# Altium PCB ACS712.PcbDoc
Units mil, origin at the board's own origin, x right, y up, seen from the top; angles counter-clockwise.
Board outline 2729.27 x 2353.8 mil, 2 copper layers (Top Layer, Bottom Layer); 116 components, 54 nets, 382 pads, 340 vias.
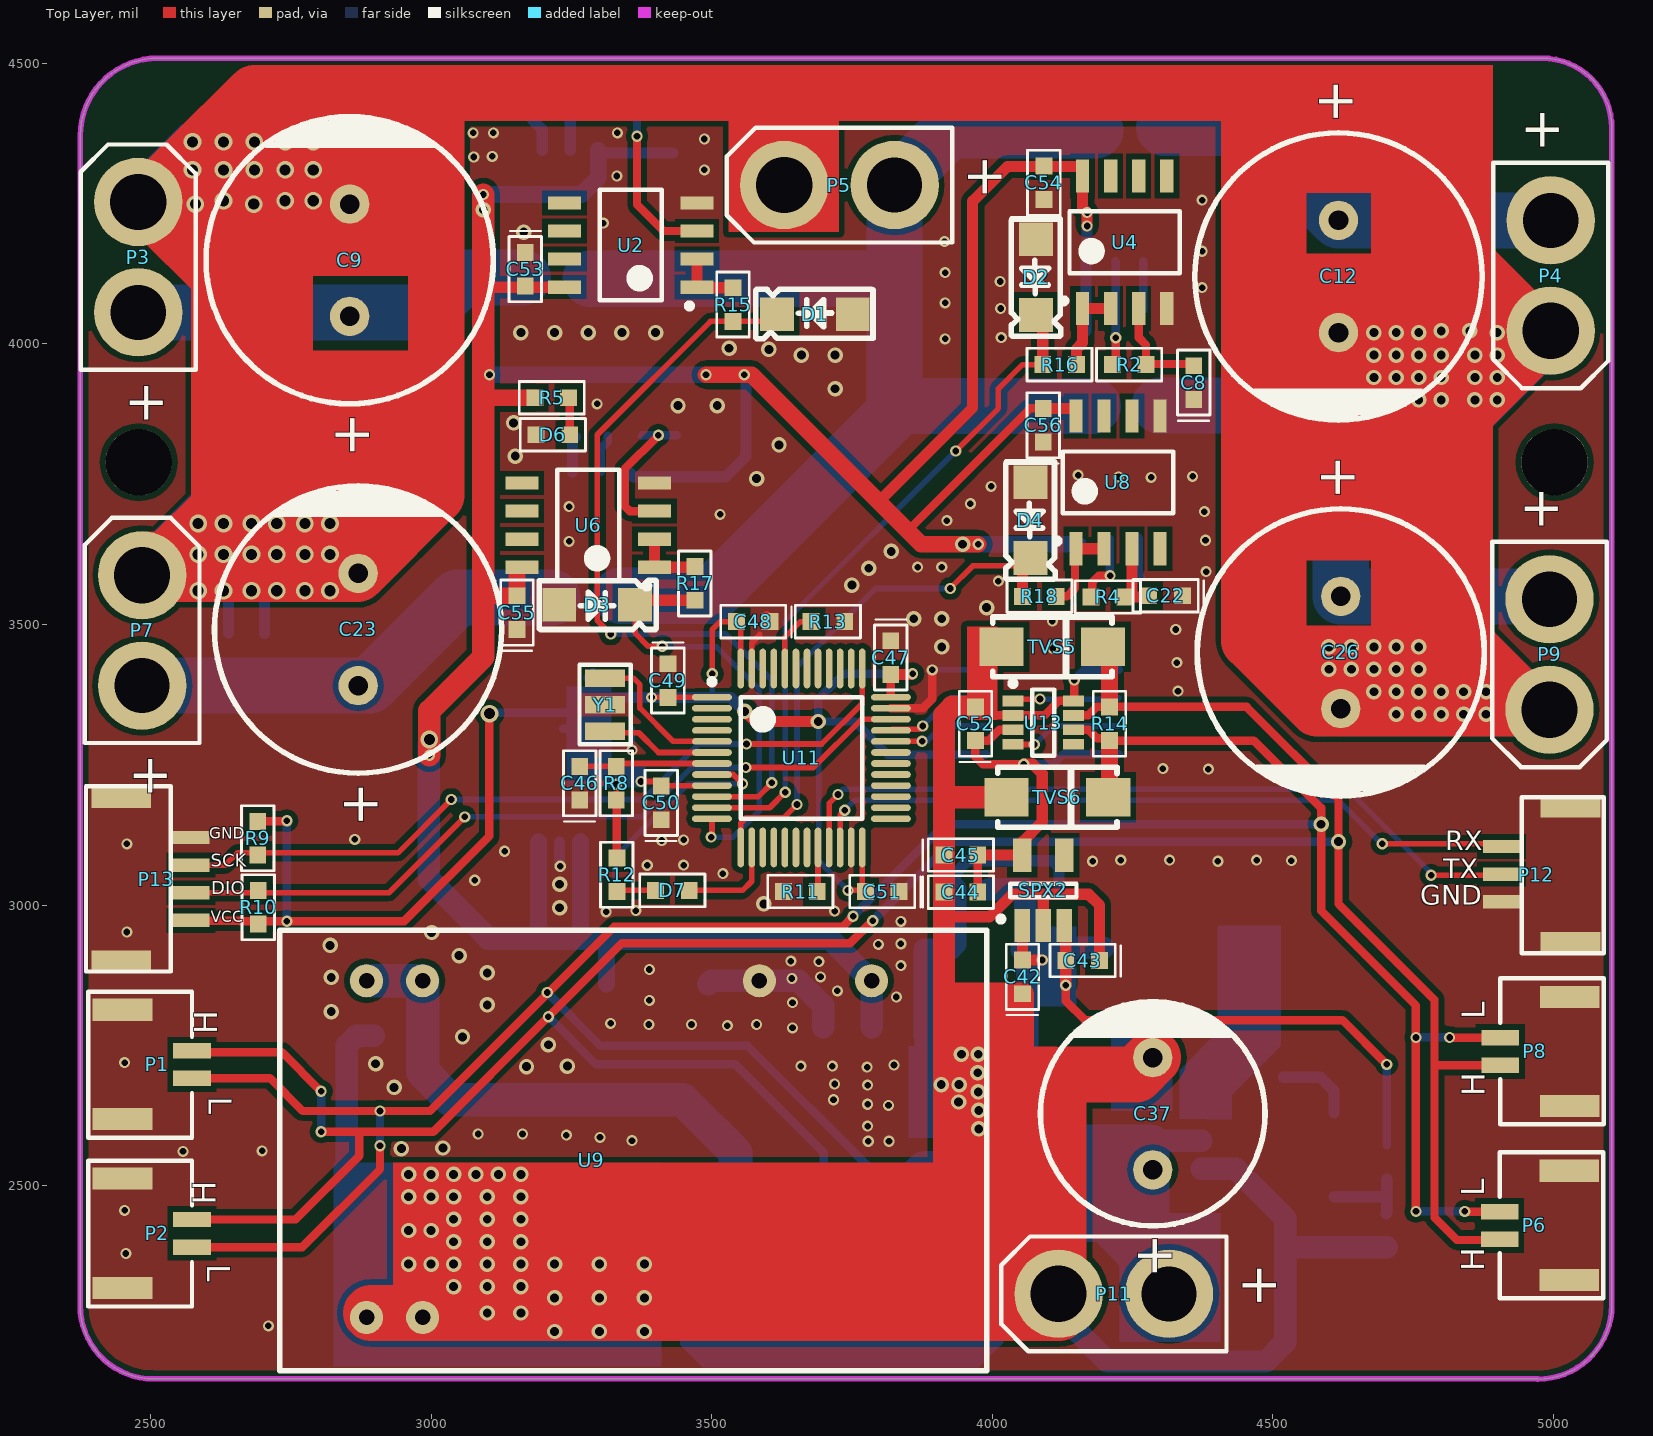
[diagram p0: Top Layer view]
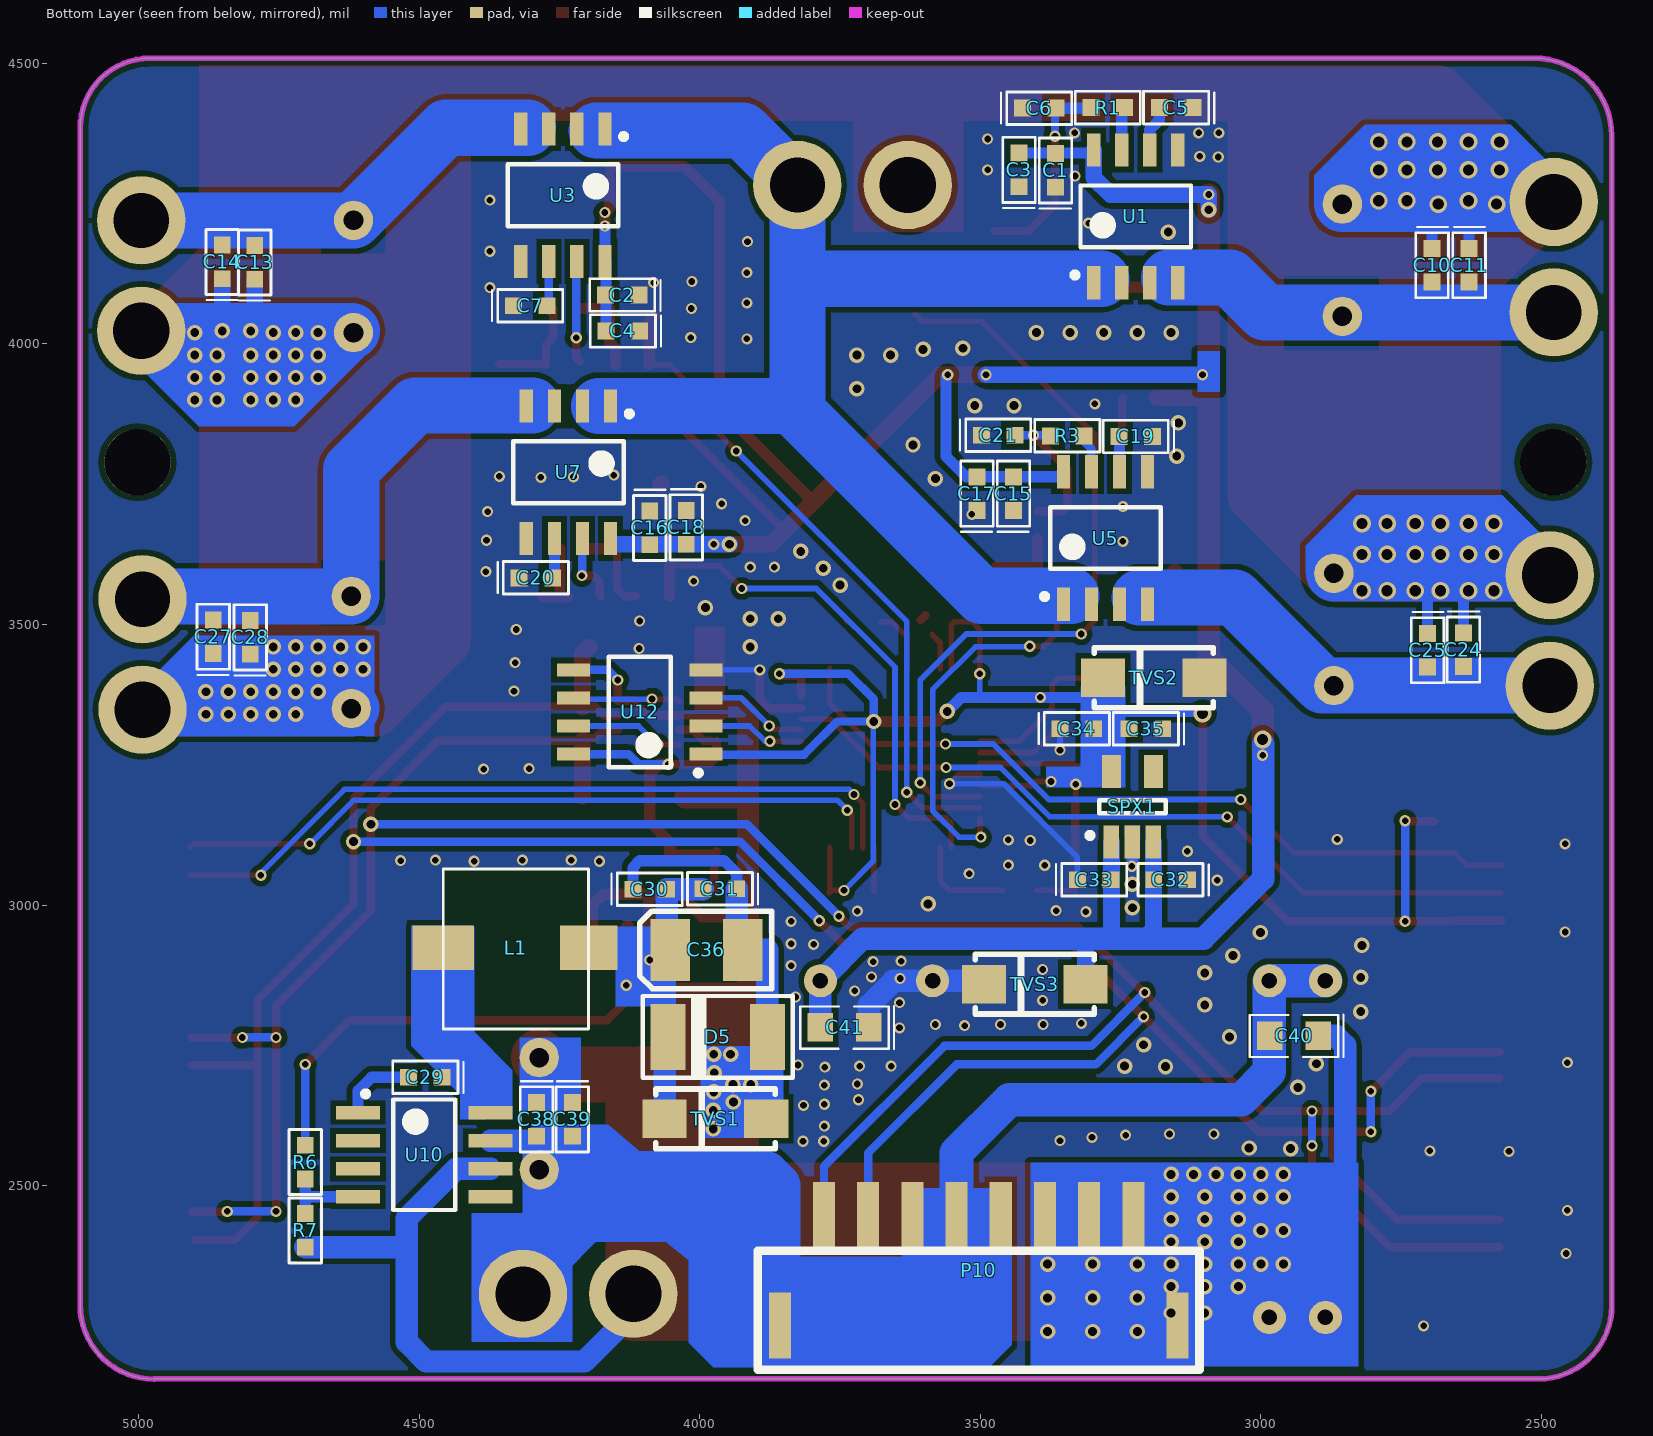
[diagram p1: Bottom Layer view, seen from below]
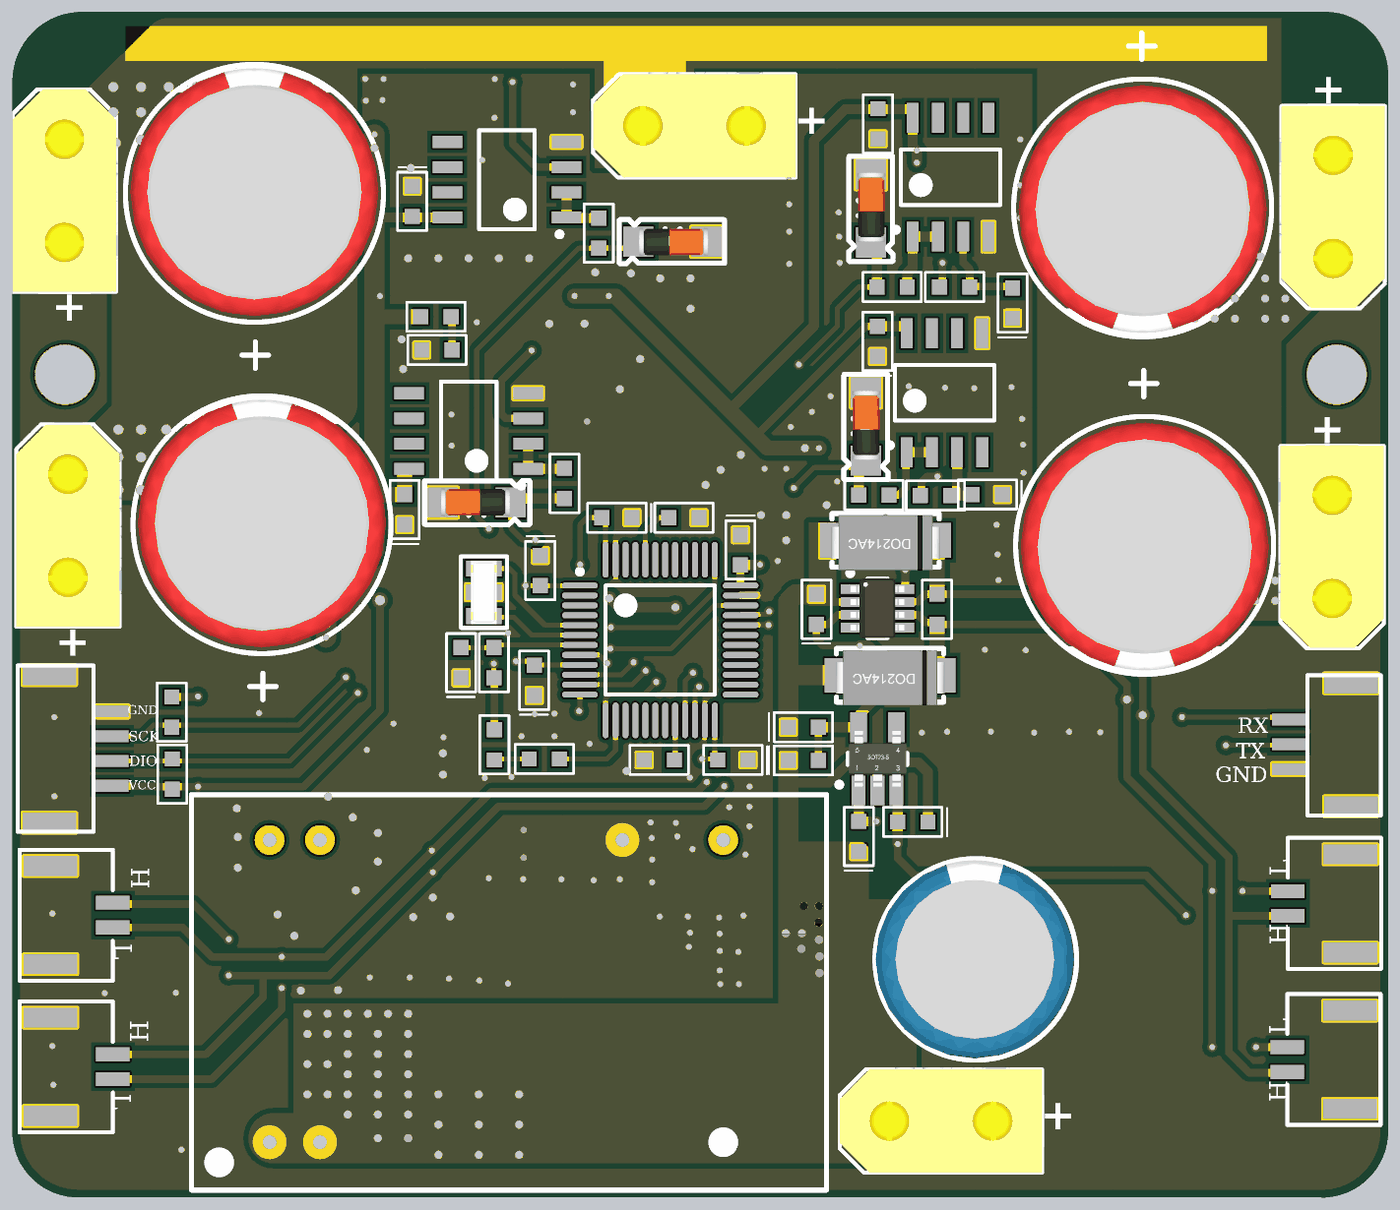
[diagram p2: 3D render of the assembled board from above, using the file's embedded part models]
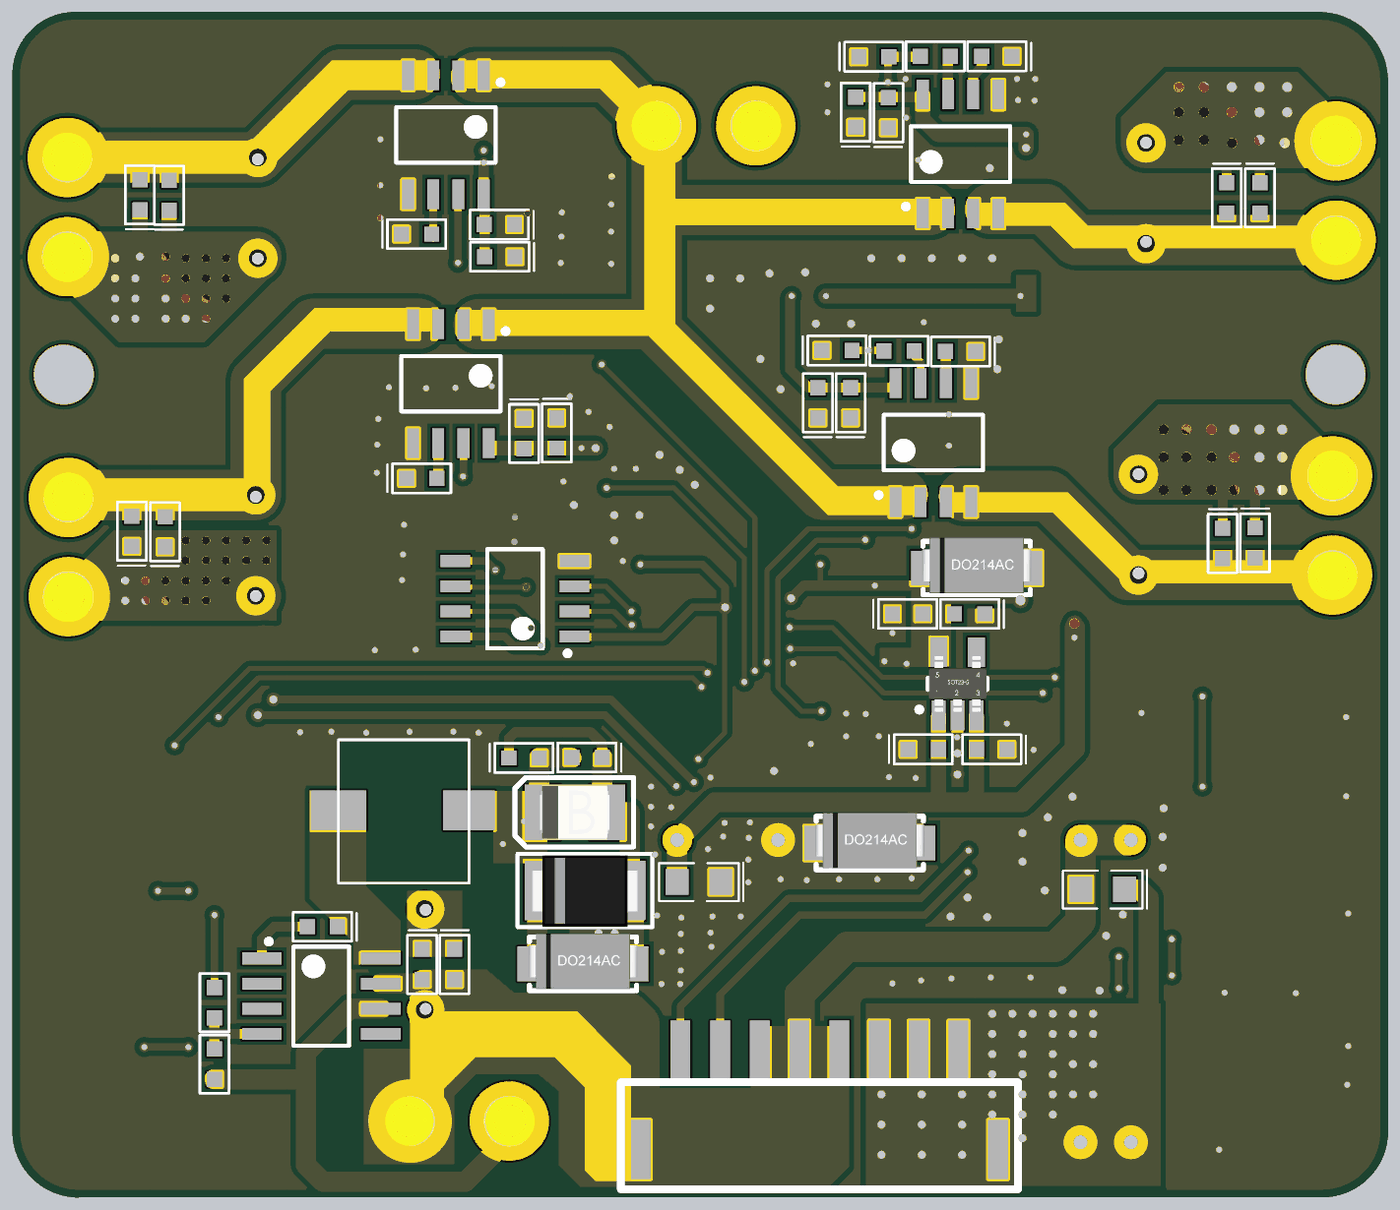
[diagram p3: 3D render of the assembled board from below, using the file's embedded part models]

## Layer stack, top to bottom
Top Solder: solder mask 0.4, Solder Resist, Dk 3.5
Top Layer: signal copper 1.4
Dielectric 1: dielectric 12.6, FR-4, Dk 4.8
Bottom Layer: signal copper 1.4
Bottom Solder: solder mask 0.4, Solder Resist, Dk 3.5

## Board outline
2374.73,2286.25 ccw(c2505.4,2286.25) 2505.4,2155.58 4972.36,2155.58 4972.36,2155.2 ccw(c4972.36,2286.84) 5104,2286.84 5104,4384.93 ccw(c4979.93,4384.93) 4979.93,4509 2512.56,4509 ccw(c2512.56,4371.44) 2375,4371.44

## Design rules (kind name [scope] priority, off if disabled: settings)
Clearance [All] p1: gap=6
DiffPairsRouting [All] p1: maxlimit=10 minlimit=10 mostfreqgap=10 toplayer_minwidth=15 toplayer_maxwidth=60 toplayer_prefwidth=15 bottomlayer_minwidth=15 bottomlayer_maxwidth=60 bottomlayer_prefwidth=15 maxuncoupledlength=500
HoleSize [All] p1: absolutevalues=TRUE maxlimit=300 minlimit=1 maxpercent=80.000 minpercent=20.000
HoleToHoleClearance [All] p1: gap=0 allowstackedmicrovias=TRUE
MinimumSolderMaskSliver [All] p1: minsoldermaskwidth=0
PolygonConnect [All] p1: connectstyle=Direct reliefconductorwidth=10 reliefentries=4 polygonreliefangle="90 Angle" airgapwidth=10
RoutingVias [All] p1: holewidth=28 width=50 viastyle="Through Hole" minholewidth=28 minwidth=50 maxholewidth=28 maxwidth=50
SilkToSilkClearance [All] p1: silktosilkclearance=0
SilkToSolderMaskClearance [IsPad] p1: minsilkscreentomaskgap=0 clearancetoexposedcopper=TRUE
SolderMaskExpansion [All] p1: expansion=4
Width [All] p1: maxlimit=100 minlimit=6 preferedwidth=10
24 further rules are at their usual default settings.

## Classes and differential pairs
differential pair CAN1: +CAN1_P -CAN1_N

## Components (designator, comment, footprint, x,y, rotation, side; value= is the part's Value field where it differs from the comment)
C1 "104/0603" C0603 3366,4309 r270 bottom
C2 "104/0603" C0603 4138,4087 r180 bottom
C3 "10uf/0603" C0603 3431,4310 r270 bottom
C4 "10uf/0603" C0603 4137,4023 r180 bottom
C5 "1nf" C0603 3151,4421 r180 bottom
C6 "100pf" C0603 3395,4420 r0 bottom
C7 "1nf" C0603 4302,4068 r0 bottom
C8 "100pf" C0603 4359,3931 r270 top
C9 "1000uf" C13x20 2854,4049 r270 top
C10 "106" C0603 2695,4140 r90 bottom
C11 "104" C0603 2629,4140 r90 bottom
C12 "1000uf" C13x20 4618,4220 r90 top
C13 "106" C0603 4793,4145 r270 bottom
C14 "104" C0603 4851,4146 r270 bottom
C15 "104/0603" C0603 3441,3733 r270 bottom
C16 "104/0603" C0603 4089,3672 r90 bottom
C17 "10uf/0603" C0603 3506,3733 r270 bottom
C18 "10uf/0603" C0603 4024,3673 r90 bottom
C19 "1nf" C0603 3223,3835 r180 bottom
C20 "1nf" C0603 4292,3583 r0 bottom
C21 "100pf" C0603 3468,3837 r0 bottom
C22 "100pf" C0603 4309,3551 r0 top
C23 "1000uf" C13x20 2869,3391 r270 top
C24 "106" C0603 2639,3455 r90 bottom
C25 "104" C0603 2703,3454 r90 bottom
C26 "1000uf" C13x20 4622,3550 r90 top
C27 "106" C0603 4867,3478 r270 bottom
C28 "104" C0603 4801,3477 r270 bottom
C29 "0.1uf/0603" C0603 4489,2693 r180 bottom
C30 "0.1uf/25V/0603" C0603 4089,3028 r0 bottom
C31 "1uF/50V/0603" C0603 3964,3029 r180 bottom
C32 "10uF/0603/16V" C0603 3161,3045 r180 bottom
C33 "104/0603/16V" C0603 3297,3045 r0 bottom
C34 "104/0603/16V" C0603 3328,3314 r0 bottom
C35 "104/0603/16V" C0603 3205,3314 r180 bottom
C36 "330uf" C3528 3988,2920 r180 bottom
C37 "330uF" C10x16 4285,2528 r270 top
C38 "0.1uf/25V/0805" C0603 4291,2618 r90 bottom
C39 "1uF/50V/0603" C0603 4227,2618 r90 bottom
C40 "1uf" C0805 2941,2767 r0 bottom
C41 "10uf" C0805 3742,2782 r0 bottom
C42 "10uF/0603/16V" C0603 4054,2872 r270 top
C43 "104/0603/16V" C0603 4161,2901 r0 top
C44 "104/0603/16V" C0603 3944,3023 r180 top
C45 "104/0603/16V" C0603 3944,3089 r180 top
C46 "0.1uf" C0603 3265,3217 r270 top
C47 "104" C0603 3819,3441 r90 top
C48 "104" C0603 3574,3505 r0 top
C49 "104" C0603 3422,3400 r90 top
C50 "104" C0603 3410,3182 r270 top
C51 "104" C0603 3804,3024 r0 top
C52 "104/0603" C0603 3970,3323 r270 top
C53 "CAP" C0603 3167.89,4133 r90 top
C54 "CAP" C0603 4092,4287 r270 top
C55 "CAP" C0603 3153,3521 r270 top
C56 "CAP" C0603 4091,3855 r270 top
D1 "Diode" D1206 3684,4053 r0 top
D2 "Diode" D1206 4078,4119 r90 top
D3 "Diode" D1206 3296,3535 r180 top
D4 "Diode" D1206 4068,3686 r90 top
D5 "SS54" DO-214AA 3968,2765 r0 bottom
D6 "LED" R0603 3217,3838 r0 top
D7 "LED" R0603 3430,3026 r180 top
L1 "15uh" L0630 4333,2924 r180 bottom
P1 "Header 2" GH1.25-2P 2512,2716 r270 top
P2 "Header 2" GH1.25-2P 2512,2415 r270 top
P3 "Header 2" XT30U-F 2478,4056 r90 top
P4 "Header 2" XT30U-F 4995,4220 r270 top
P5 "Header 2" XT30U-F 3826,4283 r180 top
P6 "Header 2" GH1.25-2P 4966,2429 r90 top
P7 "Header 2" XT30U-F 2485,3391 r90 top
P8 "Header 2" GH1.25-2P 4967,2739 r90 top
P9 "Header 2" XT30U-F 4993,3545 r270 top
P10 "PH2.0-8P" PH2.0-8P 3503,2349 r180 bottom
P11 "Header 2" XT30U-F 4315,2307 r180 top
P12 "Header 3" GH1.25-3P 4969,3054 r90 top
P13 "Header 4" GH1.25-4P 2510,3046 r270 top
R1 "120R" R0603 3273,4421 r0 bottom
R2 "120R" R0603 4244,3963 r0 top
R3 "120R" R0603 3345,3836 r0 bottom
R4 "120R" R0603 4206,3549 r0 top
R5 "10k" R0603 3215,3904 r180 top
R6 "10K" R0603 4703,2542 r90 bottom
R7 "3.24K" R0603 4703,2420 r90 bottom
R8 "10k" R0603 3330,3217 r90 top
R9 "10k" R0603 2691,3119 r90 top
R10 "10k" R0603 2692,2996 r270 top
R11 "10k" R0603 3658,3024 r180 top
R12 "10k" R0603 3331,3054 r270 top
R13 "10k" R0603 3707,3505 r0 top
R14 "120R/1%/0603" R0603 4209,3323 r270 top
R15 "120" R0603 3538,4070 r270 top
R16 "120" R0603 4120,3963 r180 top
R17 "120欧" R0603 3470,3573 r90 top
R18 "10k" R0603 4084,3550 r180 top
SPX1 "SPX3819" SOT23-5 3229,3175 r90 bottom
SPX2 "SPX3819" SOT23-5 4091,3026 r90 top
TVS1 "SMAJ6.5CA" DO-214AC 3972,2619 r0 bottom
TVS2 "SMAJ5.0CA" DO-214AC 3191,3405 r0 bottom
TVS3 "SMAJ6.5CA" DO-214AC 3403,2859 r0 bottom
TVS5 "SMAJ30A" DO-214AC 4107,3460 r0 top
TVS6 "SMAJ30A" DO-214AC 4116,3192 r0 top
U1 "ACS712" SOIC-8#1 3223,4227 r90 bottom
U2 "TLC2272" SOIC-8#1 3355.89,4176 r180 top
U3 "ACS712" SOIC-8#1 4244,4265 r270 bottom
U4 "TLC2272" SOIC-8#1 4236,4181 r90 top
U5 "ACS712" SOIC-8#1 3277,3654 r90 bottom
U6 "TLC2272" SOIC-8#1 3280,3677 r180 top
U7 "ACS712" SOIC-8#1 4234,3771 r270 bottom
U8 "TLC2272" SOIC-8#1 4224,3753 r90 top
U9 "VRB_ZP-6WR3" VRB_ZP-6WR3 3285,2545 r0 top
U10 "TPS5430/5450" SOIC-8#2 4491,2555 r180 bottom
U11 "STM32F103C8T6" LQFP48_N 3660,3262 r0 top
U12 "ADUM1201" SOIC-8#1 4107,3344 r0 bottom
U13 "MAX3051" SOT-23-8P 4091,3325 r0 top
Y1 "8MHz" CSTCE 3310,3357 r270 top

## Footprints (in the part's own frame and the unit in brackets; to place one, negate y for a bottom-side part, rotate by r counter-clockwise, add the part's x,y. Pads: shape width x height; smd on the part's side, far side on the other; paste and mask are expansions set on the pad)
C10x16 [mil] "RB.2/.4"
  round 70 hole 35: 1(0,1) 2(-200,1)
  silkscreen extent -300,-199 100,201, body extent -297,-198 97,196, height 709
C13x20 [mil] "RB.2/.5"
  round 70 hole 35: 1(0,1) 2(-200,1)
  silkscreen extent -356,-255 156,257, body extent -348,-245 144,247, height 787
C0603 [mil]
  rect 30x30 smd: 1(30,0) 2(-30,0)
  silkscreen extent -58,-29 68,29, body extent -32,-16 31,16, height 35
C0805 [mm]
  rect 1.15x1.3 smd: 1(-1.1,0) 2(1.1,0)
  silkscreen extent -2.24,-0.97 2.01,0.97, body extent -0.97,-0.61 1.03,0.6, height 0.5
C3528 [mil] "B型"
  rect 70.87x110 smd: 1(-64.5,0) 2(64.5,0)
  silkscreen extent -119,-69 116,69, body extent -69,-55 69,55, height 75